# Altium PCB higgs.PcbDoc (part 24 of 25)
Units mm, origin at the board's own origin, x right, y up, seen from the top; angles counter-clockwise.
Board outline 160 x 160 mm, 15 copper layers (TOP, P1(GND), S1(V), P2(GND), S2(H), P3(GND), S3(V12/V2V5), S4(VDDR), P4(GND), S5(V), P5(GND), S6(H), P6(GND), P1(GND) (Plane1), BOT), stack 3.262 mm thick; 1283 components, 2419 nets, 11066 pads, 5487 vias.
Unrouted connection lines stored in the file: 239.
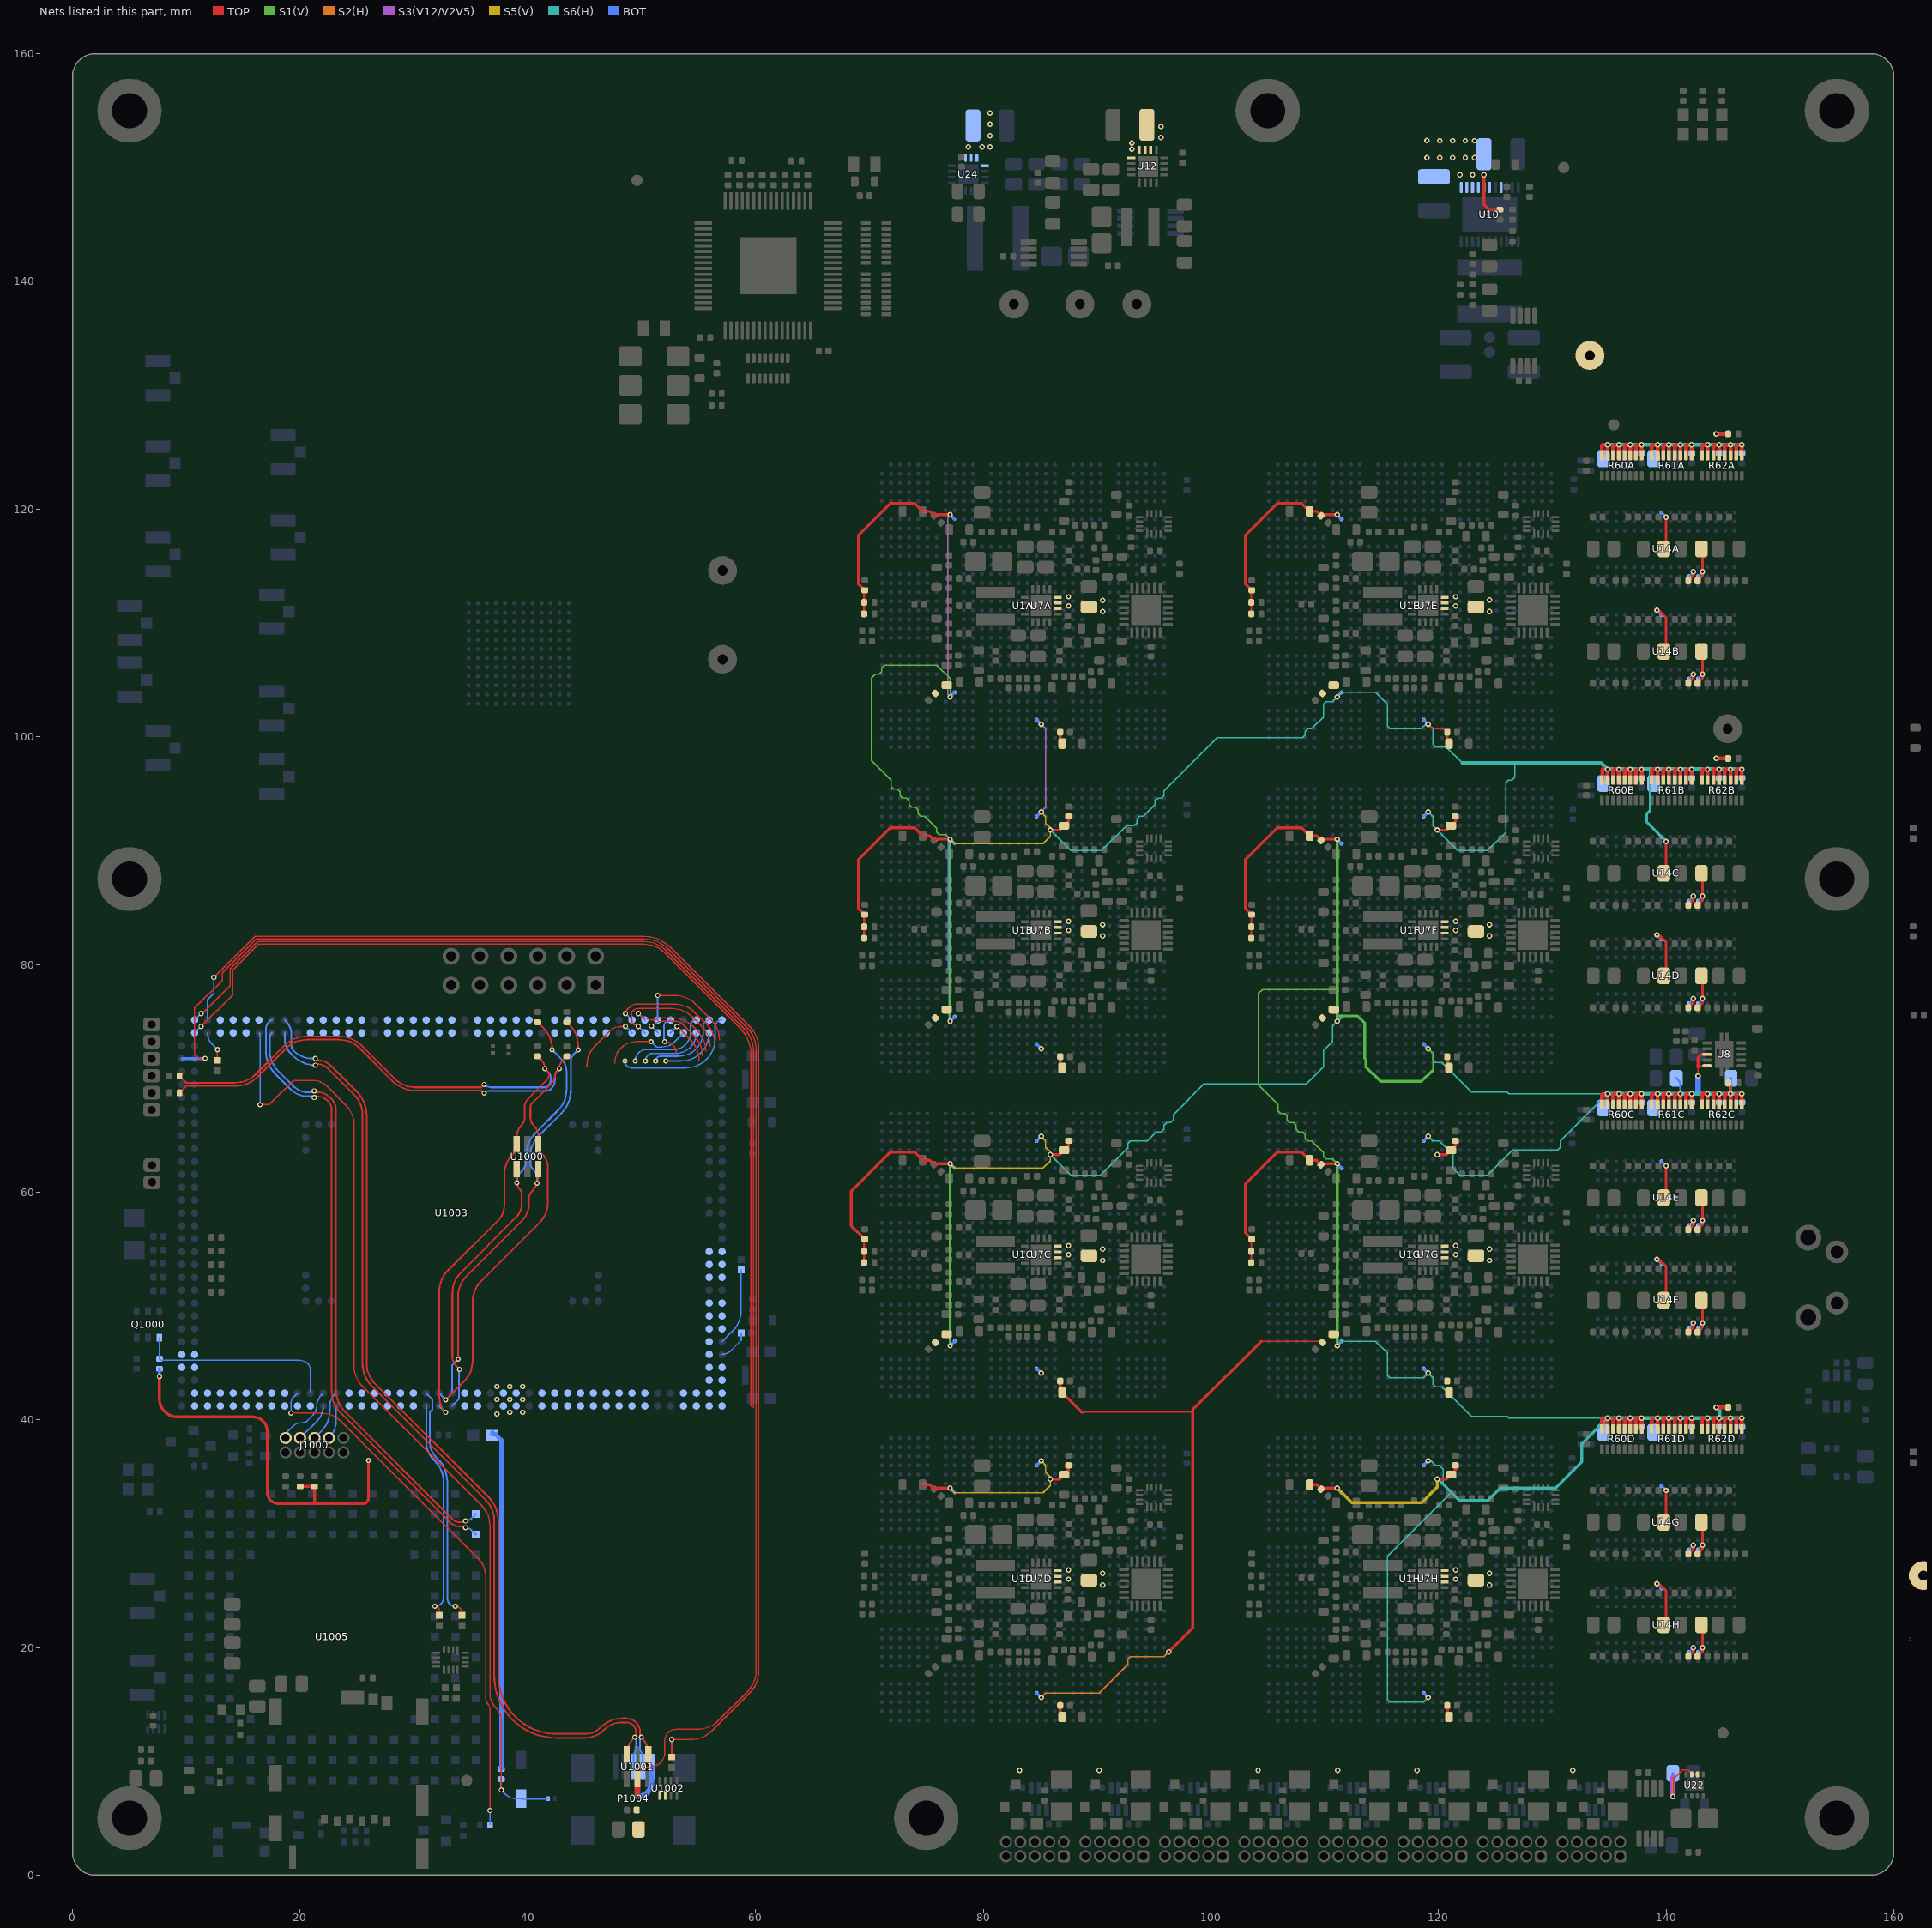
[diagram p37: the nets of this part, all layers, seen from the top]

## Via types
v1: diameter 0.483, hole 0.254, TOP to BOT, tented both sides, 5146 vias
v2: diameter 0.457, hole 0.254, TOP to BOT, tented both sides, 278 vias
v3: diameter 0.5, hole 0.25, TOP to BOT, 50 vias
v4: diameter 0.483/0/0/0/0.483/0/0/0.483 (per signal layer), hole 0.254, TOP to BOT, tented both sides, 7 vias
v5: diameter 0.483, hole 0.254, TOP to BOT, tented bottom, 5 vias
v6: diameter 0.483, hole 0.254, TOP to BOT, 1 vias

## Nets (pads, with @x,y where several pads share a name; then routed paths per layer and width w, separated by ;. In a path a pad name is that pad's centre, name@x,y a point inside that pad or via, vN(x,y) a via of type N, cw(c..) or ccw(c..) an arc to the next point about the centre after c; other vN are vias at no path point) (continued)
V12: C9A.2 C9B.2 C9C.2 C9D.2 C9E.2 C9F.2 C9G.2 C9H.2 C88.2 C89.2 C96.2 C160.2 C166.2 R35.1 TP12.1 U7A.10 U7A.11 U7A.12 U7B.10 U7B.11 U7B.12 U7C.10 U7C.11 U7C.12 U7D.10 U7D.11 U7D.12 U7E.10 U7E.11 U7E.12 U7F.10 U7F.11 U7F.12 U7G.10 U7G.11 U7G.12 U7H.10 U7H.11 U7H.12 U10.12 U10.13 U10.14 U10.15 U10.16 U10.17 U10.19 U12.10 U12.11 U12.12 U12.13 U22.2 U22.3 U24.10 U24.11 U24.12 U24.13 | length 12.2
  TOP w0.102: v1(140.6,6.9) 140.6,8.406 141.452,9.258 141.942,9.258 142.25,8.95 U22.3@142.25,8.85 U22.2@142.75,8.85 U22.2@142.8,8.8
  TOP w0.254: v1(124,149.365) 124,146.765 124.455,146.31 R35.1@125.4,146.31
  S3(V12/V2V5) w0.457: v1(140.6,6.9) 140.6,8.6
  BOT w0.2: v1(140.6,6.9) C160.2@140.6,8.95
  other v1: 90.185,9.195 83.205,9.2 104.16,9.2 111.145,9.2 118.13,9.2 131.8,9.2 90.5,25.5 124.5,25.5 87.5,26 121.5,26 90.5,26.5 124.5,26.5 87.5,26.8 121.5,26.8 90.5,54 124.5,54 87.5,54.5 121.5,54.5 90.5,55 124.5,55 87.5,55.3 121.5,55.3 90.5,82.5 124.5,82.5 87.5,83 121.5,83 90.5,83.5 124.5,83.5 87.5,83.8 121.5,83.8 90.5,111 124.5,111 87.5,111.5 121.5,111.5 90.506,111.98 124.5,112 87.5,112.3 121.5,112.3 121.883,149.357 123,149.365 119,150.865 120.108,150.857 121.233,150.857 122.358,150.857 123.158,150.857 93.073,151.626 78.7,151.8 79.9,151.8 80.6,151.8 93.073,152.134 119,152.365 120.108,152.357 121.233,152.357 122.358,152.357 123.158,152.357 95.625,152.65 80.6,152.8 95.625,153.6 80.6,153.8 80.6,154.8
V48: TP19.1
VCC3P3_SYS: D1001.1 R1003.2 R1006.2 R1014.2 R1017.2 U1003.PAK17 U1003.PAK18 U1003.PAL17 U1003.PAL18 | length 65.9
  TOP w0.254: v2(7.629,43.803) 7.629,41.853 ccw(c9.235,41.853) 9.235,40.247 15.839,40.247 cw(c15.839,38.977) 17.109,38.977 17.109,33.643 ccw(c18.125,33.643) 18.125,32.627 21.514,32.627 ; R1003.2@19.99,34.15 R1006.2@21.26,34.15 21.26,32.881 ; 21.006,32.627 ccw(c21.006,32.881) 21.26,32.881 ; v2(25.999,36.437) 25.999,33.135 cw(c25.491,33.135) 25.491,32.627 21.514,32.627 ; 21.26,32.881 ccw(c21.514,32.881) 21.514,32.627
  BOT w0.127: D1001.1@36.679,38.669 36.879,38.869 D1001.1@37.029,38.719
  BOT w0.254: v2(7.629,43.803) R1017.2@7.629,44.474
  BOT w0.381: D1001.1@36.879,38.719 D1001.1@36.879,38.869 ; D1001.1@37.029,38.719 37.179,38.719 37.667,38.231 R1014.2@37.667,9.323
  other v2: 37.284,40.501 38.414,40.654 39.544,40.654 37.284,41.784 38.414,41.784 39.544,41.784 37.284,42.914 38.414,42.914 39.544,42.914
VTTR: C8A.2 C8B.2 C8C.2 C8E.2 C8F.2 C8G.2 C19E.2 C19F.2 C19G.2 C19H.2 C20E.2 C20F.2 C20G.2 C20H.2 C26A.2 C26B.2 C26C.2 C26D.2 C26E.2 C26F.2 C26G.2 C26H.2 C27A.2 C27B.2 C27C.2 C27D.2 C27E.2 C27F.2 C27G.2 C27H.2 C37B.2 C37C.2 C37D.2 C37F.2 C37G.2 C37H.2 C38B.2 C38C.2 C38D.2 C38F.2 C38G.2 C38H.2 C58A.2 C58B.2 C58C.2 C58E.2 C58F.2 C58G.2 C59A.2 C59B.2 C59C.2 C59E.2 C59F.2 C59G.2 C81.2 C82.2 C115A.1 C115B.1 C115C.1 C115D.1 C115E.1 C115F.1 C115G.1 C115H.1 C116A.1 C116B.1 C116C.1 C116D.1 C116E.1 C116F.1 C116G.1 C116H.1 C117A.2 C117B.2 C117C.2 C117D.2 C117E.2 C117F.2 C117G.2 C117H.2 C136A.1 C136B.1 C136C.1 C136D.1 C137A.1 C137B.1 C137C.1 C137D.1 C138A.2 C138B.2 C138C.2 C138D.2 C139A.2 C139B.2 C139C.2 C139D.2 C140A.2 C140B.2 C140C.2 C140D.2 C141A.2 C141B.2 C141C.2 C141D.2 R8A.1 R8B.1 R8C.1 R8E.1 R8F.1 R8G.1 R9A.1 R9B.1 R9C.1 R9E.1 R9F.1 R9G.1 R60A.9 R60A.10 R60A.11 R60A.12 R60A.13 R60A.14 R60A.15 R60A.16 R60B.9 R60B.10 R60B.11 R60B.12 R60B.13 R60B.14 R60B.15 R60B.16 R60C.9 R60C.10 R60C.11 R60C.12 R60C.13 R60C.14 R60C.15 R60C.16 R60D.9 R60D.10 R60D.11 R60D.12 R60D.13 R60D.14 R60D.15 R60D.16 R61A.9 R61A.10 R61A.11 R61A.12 R61A.13 R61A.14 R61A.15 R61A.16 R61B.9 R61B.10 R61B.11 R61B.12 R61B.13 R61B.14 R61B.15 R61B.16 R61C.9 R61C.10 R61C.11 R61C.12 R61C.13 R61C.14 R61C.15 R61C.16 R61D.9 R61D.10 R61D.11 R61D.12 R61D.13 R61D.14 R61D.15 R61D.16 R62A.9 R62A.10 R62A.11 R62A.12 R62A.13 R62A.14 R62A.15 R62A.16 R62B.9 R62B.10 R62B.11 R62B.12 R62B.13 R62B.14 R62B.15 R62B.16 R62C.9 R62C.10 R62C.11 R62C.12 R62C.13 R62C.14 R62C.15 R62C.16 R62D.9 R62D.10 R62D.11 R62D.12 R62D.13 R62D.14 R62D.15 R62D.16 R65A.2 R65B.2 R65C.2 R65D.2 U1A.J26 U1A.V29 U1B.J26 U1B.V4 U1B.V29 U1C.J26 U1C.V4 U1C.V29 U1D.V4 U1D.V29 U1E.J7 U1E.J26 U1E.V29 U1F.J7 U1F.J26 U1F.V4 U1F.V29 U1G.J7 U1G.J26 U1G.V4 U1G.V29 U1H.J7 U1H.V4 U1H.V29 U8.3 U8.5 U14A.H1 U14A.M8 U14B.H1 U14B.M8 U14C.H1 U14C.M8 U14D.H1 U14D.M8 U14E.H1 U14E.M8 U14F.H1 U14F.M8 U14G.H1 U14G.M8 U14H.H1 U14H.M8 | length 897.5
  TOP w0.1: 88.835,40.685 98.399,40.685 98.414,40.7 ; 104.428,46.9 109.708,46.9 C59G.2@109.804,46.804 ; v1(119.1,101.1) 119.5,100.7 120.47,100.7 C27E.2@120.77,100.4 ; v1(142.8,70.2) 142.8,71 142.7,71.1 U8.5@143.6,71.1
  TOP w0.178: R8C.1@69.555,53.8 R9C.1@69.555,54.8 69.555,55.815 69.5,55.87 C8C.2@69.6,55.87 ; R8B.1@69.555,82.3 R9B.1@69.555,83.3 C8B.2@69.555,84.315 ; R8A.1@69.555,110.8 R9A.1@69.555,111.8 C8A.2@69.555,112.815 ; R8G.1@103.555,53.8 R9G.1@103.555,54.8 C8G.2@103.555,55.815 ; R8F.1@103.555,82.3 R9F.1@103.555,83.3 C8F.2@103.555,84.315 ; R8E.1@103.555,110.8 R9E.1@103.555,111.8 C8E.2@103.555,112.815
  TOP w0.203: R65C.2@145.454,69.6 145.65,69.404 v1(145.65,68.65)
  TOP w0.254: C8C.2@69.6,55.87 68.425,57.045 68.425,60.086 71.838,63.499 73.976,63.499 74.675,62.8 75.3,62.8 75.696,62.404 75.792,62.5 v1(77.1,62.5) ; C8B.2@69.6,84.37 69.05,84.92 69.05,89.211 71.838,91.999 73.976,91.999 74.675,91.3 75.3,91.3 75.696,90.904 75.792,91 v1(77.1,91) ; C8A.2@69.6,112.87 69.05,113.42 69.05,117.711 71.838,120.499 73.976,120.499 74.675,119.8 75.3,119.8 75.696,119.404 75.792,119.5 v1(77.1,119.5) ; 74.675,34.3 75.3,34.3 75.696,33.904 75.792,34 v1(77.1,34) ; v1(85.9,34.8) 86.725,34.8 87.5,35.575 C38D.2@87.5,36 ; v1(85.9,63.3) 86.725,63.3 87.5,64.075 C38C.2@87.5,64.5 ; v1(85.9,91.8) 86.725,91.8 87.5,92.575 C38B.2@87.5,93 ; C26C.2@86.925,42.4 88.64,40.685 88.835,40.685 ; v1(96.3,19.6) 98.414,21.714 98.414,40.7 98.414,40.886 104.428,46.9 ; C8G.2@103.6,55.87 103.05,56.42 103.05,60.711 105.838,63.499 107.976,63.499 C19G.2@108.675,62.8 109.3,62.8 C20G.2@109.696,62.404 109.792,62.5 v1(111.1,62.5) ; C8F.2@103.6,84.37 103.05,84.92 103.05,89.211 105.838,91.999 107.976,91.999 C19F.2@108.675,91.3 109.3,91.3 C20F.2@109.696,90.904 109.792,91 v1(111.1,91) ; C8E.2@103.6,112.87 103.05,113.42 103.05,117.711 105.838,120.499 107.976,120.499 C19E.2@108.675,119.8 109.3,119.8 C20E.2@109.696,119.404 109.792,119.5 v1(111.1,119.5) ; C19H.2@108.675,34.3 109.3,34.3 C20H.2@109.696,33.904 109.792,34 v1(111.1,34) ; v1(119.9,34.8) 120.725,34.8 121.5,35.575 C38H.2@121.5,36 ; v1(119.9,63.3) 120.725,63.3 121.5,64.075 C38G.2@121.5,64.5 ; v1(119.9,91.8) 120.725,91.8 C37F.2@121.1,92.175 121.5,92.575 C38F.2@121.5,93 ; C27E.2@120.77,100.4 120.77,99.555 C26E.2@120.925,99.4 ; v1(139.2,25.6) 139.348,25.6 140,24.949 140,22.2 C115H.1@139.8,22 ; v1(139.2,54.1) 139.348,54.1 140,53.449 140,50.7 C115F.1@139.8,50.5 ; v1(139.2,82.6) 139.348,82.6 140,81.949 140,79.2 C115D.1@139.8,79 ; v1(139.2,111.1) 139.348,111.1 140,110.449 140,107.7 C115B.1@139.8,107.5 ; C115G.1@139.8,31 140,31.2 v1(140,33.8) ; C115E.1@139.8,59.5 140,59.7 v1(140,62.3) ; C115C.1@139.8,88 140,88.2 v1(140,90.8) ; C115A.1@139.8,116.5 140,116.7 v1(140,119.3) ; C117H.2@142.77,19.2 142.77,19.25 143.2,19.68 v1(143.2,20) 143.2,21.9 C116H.1@143.1,22 ; C117G.2@142.77,28.2 142.77,28.25 143.2,28.68 v1(143.2,29) 143.2,30.9 C116G.1@143.1,31 ; C117F.2@142.77,47.7 142.77,47.75 143.2,48.18 v1(143.2,48.5) 143.2,50.4 C116F.1@143.1,50.5 ; C117E.2@142.77,56.7 142.77,56.75 143.2,57.18 v1(143.2,57.5) 143.2,59.4 C116E.1@143.1,59.5 ; C117D.2@142.77,76.2 142.77,76.25 143.2,76.68 v1(143.2,77) 143.2,78.9 C116D.1@143.1,79 ; C117C.2@142.77,85.2 142.77,85.25 143.2,85.68 v1(143.2,86) 143.2,87.9 C116C.1@143.1,88 ; C117B.2@142.77,104.7 142.77,104.75 143.2,105.18 v1(143.2,105.5) 143.2,107.4 C116B.1@143.1,107.5 ; C117A.2@142.77,113.7 142.77,113.75 143.2,114.18 v1(143.2,114.5) 143.2,116.4 C116A.1@143.1,116.5
  TOP w0.28: C27D.2@86.77,14.9 86.77,14.055 C26D.2@86.925,13.9 ; C27C.2@86.77,43.4 86.77,42.555 C26C.2@86.925,42.4 ; C27B.2@86.77,71.9 86.77,71.055 C26B.2@86.925,70.9 ; C27A.2@86.77,100.4 86.77,99.555 C26A.2@86.925,99.4 ; C27H.2@120.77,14.9 120.77,14.055 C26H.2@120.925,13.9 ; C27F.2@120.77,71.9 120.77,71.055 C26F.2@120.925,70.9 ; 142.8,71 142.8,71.8 143.1,72.1 U8.3@143.6,72.1
  TOP w0.34: R60D.16@134.35,39.195 134.35,40.05 134.45,40.15 v1(134.85,40.15) R60D.15@134.85,39.195 ; R60C.16@134.35,67.695 134.35,68.55 134.45,68.65 v1(134.85,68.65) R60C.15@134.85,67.695 ; R60B.16@134.35,96.195 134.388,96.233 134.388,97.088 134.45,97.15 v1(134.85,97.15) R60B.15@134.85,96.195 ; R60A.16@134.35,124.695 134.35,125.55 134.45,125.65 v1(134.85,125.65) R60A.15@134.85,124.695 ; R60D.14@135.35,39.195 135.35,40.05 135.45,40.15 v1(135.85,40.15) R60D.13@135.85,39.195 ; R60C.14@135.35,67.695 135.35,68.55 135.45,68.65 v1(135.85,68.65) R60C.13@135.85,67.695 ; R60B.14@135.35,96.195 135.35,97.05 135.45,97.15 v1(135.85,97.15) R60B.13@135.85,96.195 ; R60A.14@135.35,124.695 135.35,125.55 135.45,125.65 v1(135.85,125.65) R60A.13@135.85,124.695 ; R60D.12@136.35,39.195 136.35,40.05 136.45,40.15 v1(136.85,40.15) R60D.11@136.85,39.195 ; R60C.12@136.35,67.695 136.35,68.55 136.45,68.65 v1(136.85,68.65) R60C.11@136.85,67.695 ; R60B.12@136.35,96.195 136.35,97.05 136.45,97.15 v1(136.85,97.15) R60B.11@136.85,96.195 ; R60A.12@136.35,124.695 136.35,125.55 136.45,125.65 v1(136.85,125.65) R60A.11@136.85,124.695 ; R60D.10@137.35,39.195 137.35,40.05 137.45,40.15 v1(137.85,40.15) R60D.9@137.85,39.195 ; R60C.10@137.35,67.695 137.35,68.55 137.45,68.65 v1(137.85,68.65) R60C.9@137.85,67.695 ; R60B.10@137.35,96.195 137.35,97.05 137.45,97.15 v1(137.85,97.15) R60B.9@137.85,96.195 ; R60A.10@137.35,124.695 137.35,125.55 137.45,125.65 v1(137.85,125.65) R60A.9@137.85,124.695 ; R61D.16@138.75,39.195 138.75,40.05 138.85,40.15 v1(139.25,40.15) R61D.15@139.25,39.195 ; R61C.16@138.75,67.695 138.75,68.55 138.85,68.65 v1(139.25,68.65) R61C.15@139.25,67.695 ; R61B.16@138.75,96.195 138.75,97.05 138.85,97.15 v1(139.25,97.15) R61B.15@139.25,96.195 ; R61A.16@138.75,124.695 138.75,125.55 138.85,125.65 v1(139.25,125.65) R61A.15@139.25,124.695 ; R61D.14@139.75,39.195 139.75,40.05 139.85,40.15 v1(140.25,40.15) R61D.13@140.25,39.195 ; R61C.14@139.75,67.695 139.75,68.55 139.85,68.65 v1(140.25,68.65) R61C.13@140.25,67.695 ; R61B.14@139.75,96.195 139.75,97.05 139.85,97.15 v1(140.25,97.15) R61B.13@140.25,96.195 ; R61A.14@139.75,124.695 139.75,125.55 139.85,125.65 v1(140.25,125.65) R61A.13@140.25,124.695 ; R61D.12@140.75,39.195 140.75,40.05 140.85,40.15 v1(141.25,40.15) R61D.11@141.25,39.195 ; R61C.12@140.75,67.695 140.75,68.55 140.85,68.65 v1(141.25,68.65) R61C.11@141.25,67.695 ; R61B.12@140.75,96.195 140.75,97.05 140.85,97.15 v1(141.25,97.15) R61B.11@141.25,96.195 ; R61A.12@140.75,124.695 140.75,125.55 140.85,125.65 v1(141.25,125.65) R61A.11@141.25,124.695 ; R61D.10@141.75,39.195 141.75,40.05 141.85,40.15 v1(142.25,40.15) R61D.9@142.25,39.195 ; R61C.10@141.75,67.695 141.75,68.55 141.85,68.65 v1(142.25,68.65) R61C.9@142.25,67.695 ; R61B.10@141.75,96.195 141.75,97.05 141.85,97.15 v1(142.25,97.15) R61B.9@142.25,96.195 ; R61A.10@141.75,124.695 141.75,125.55 141.85,125.65 v1(142.25,125.65) R61A.9@142.25,124.695 ; R62D.16@143.15,39.195 143.15,40.05 143.25,40.15 v1(143.65,40.15) R62D.15@143.65,39.195 ; R62C.16@143.15,67.695 143.15,68.55 143.25,68.65 v1(143.65,68.65) R62C.15@143.65,67.695 ; R62B.16@143.15,96.195 143.15,97.05 143.25,97.15 v1(143.65,97.15) R62B.15@143.65,96.195 ; R62A.16@143.15,124.695 143.15,125.55 143.25,125.65 v1(143.65,125.65) R62A.15@143.65,124.695 ; R62D.14@144.15,39.195 144.15,40.05 144.25,40.15 v1(144.65,40.15) R62D.13@144.65,39.195 ; R62C.14@144.15,67.695 144.15,68.55 144.25,68.65 v1(144.65,68.65) R62C.13@144.65,67.695 ; R62B.14@144.15,96.195 144.15,97.05 144.25,97.15 v1(144.65,97.15) R62B.13@144.65,96.195 ; R62A.14@144.15,124.695 144.15,125.55 144.25,125.65 v1(144.65,125.65) R62A.13@144.65,124.695 ; v1(144.4,41.1) R65D.2@145.455,41.1 ; v1(144.4,98.1) R65B.2@145.455,98.1 ; v1(144.4,126.6) R65A.2@145.455,126.6 ; R62D.12@145.15,39.195 145.15,40.05 145.25,40.15 v1(145.65,40.15) R62D.11@145.65,39.195 ; R62C.12@145.15,67.695 145.15,68.55 145.25,68.65 v1(145.65,68.65) R62C.11@145.65,67.695 ; R62B.12@145.15,96.195 145.15,97.05 145.25,97.15 v1(145.65,97.15) R62B.11@145.65,96.195 ; R62A.12@145.15,124.695 145.15,125.55 145.25,125.65 v1(145.65,125.65) R62A.11@145.65,124.695 ; R62D.10@146.15,39.195 146.15,40.05 146.25,40.15 v1(146.65,40.15) R62D.9@146.65,39.195 ; R62C.10@146.15,67.695 146.15,68.55 146.25,68.65 v1(146.65,68.65) R62C.9@146.65,67.695 ; R62B.10@146.15,96.195 146.15,97.05 146.25,97.15 v1(146.65,97.15) R62B.9@146.65,96.195 ; R62A.10@146.15,124.695 146.15,125.55 146.25,125.65 v1(146.65,125.65) R62A.9@146.65,124.695
  S3(V12/V2V5) w0.1: v1(77.1,103.5) 76.889,103.711 76.889,119.289 v1(77.1,119.5) ; v1(85.1,93.4) 85.498,93.798 85.498,100.702 v1(85.1,101.1)
  S1(V) w0.1: v1(77.1,91) 76.698,91.402 76.135,91.402 75.902,91.635 75.902,91.962 74.862,93.002 74.535,93.002 74.302,93.235 74.302,93.562 74.062,93.802 73.735,93.802 73.502,94.035 73.502,94.362 73.262,94.602 72.935,94.602 72.702,94.835 72.702,95.162 72.462,95.402 72.135,95.402 71.902,95.635 71.902,96.198 70.187,97.913 70.187,105.151 70.538,105.502 70.865,105.502 71.098,105.735 71.098,106.062 71.335,106.298 75.902,106.298 77.1,105.1 v1(77.1,103.5) ; v1(111.1,62.5) 110.698,62.902 110.135,62.902 109.902,63.135 109.902,63.462 108.862,64.502 108.535,64.502 108.302,64.735 108.302,65.062 108.062,65.302 107.735,65.302 107.502,65.535 107.502,65.862 107.262,66.102 106.935,66.102 106.702,66.335 106.702,66.662 106.462,66.902 106.135,66.902 105.902,67.135 105.902,67.698 104.187,69.413 104.187,77.451 104.535,77.798 111.098,77.798 111.1,77.8 ; v1(119.1,72.6) 119.5,72.2 119.5,70.728
  S1(V) w0.254: v1(77.1,46.5) v1(77.1,62.5) ; v1(77.1,75) v1(77.1,91) ; v1(111.1,46.5) v1(111.1,62.5) ; v1(111.1,75) 111.1,77.8 v1(111.1,91) ; 111.1,75.475 112.897,75.475 113.519,74.853 113.519,71.755 113.645,71.629 113.645,70.982 114.903,69.725 118.497,69.725 119.5,70.728
  S2(H) w0.1: v1(85.1,15.6) 85.498,15.998 90.198,15.998 92.702,18.502 92.702,18.965 92.935,19.198 95.898,19.198 v1(96.3,19.6)
  S5(V) w0.1: v1(77.1,34) 77.498,33.602 85.265,33.602 85.9,34.237 v1(85.9,34.8) 85.9,34.994 85.5,35.394 85.5,36 v1(85.1,36.4) ; v1(77.1,62.5) 77.498,62.102 85.265,62.102 85.9,62.737 v1(85.9,63.3) 85.9,63.537 85.502,63.935 85.502,64.498 v1(85.1,64.9) ; v1(77.1,91) 77.498,90.602 85.265,90.602 85.9,91.237 v1(85.9,91.8) 85.9,91.994 85.5,92.394 85.5,93 v1(85.1,93.4)
  S5(V) w0.254: v1(111.1,34) 112.375,32.725 118.525,32.725 119.9,34.1 v1(119.9,34.8)
  S6(H) w0.1: v1(85.9,63.3) 87.709,61.491 90.317,61.491 92.702,63.876 92.702,64.265 92.938,64.502 94.402,64.502 95.202,65.302 95.665,65.302 95.898,65.535 95.898,65.862 96.138,66.102 96.465,66.102 96.698,66.335 96.698,66.798 99.398,69.498 108.398,69.498 109.902,71.002 109.902,72.438 110.698,73.235 110.698,74.598 v1(111.1,75) ; v1(85.9,91.8) 87.709,89.991 90.395,89.991 92.605,92.202 93.265,92.202 93.498,92.435 93.498,92.762 93.738,93.002 94.065,93.002 95.098,94.035 95.098,94.362 95.338,94.602 95.665,94.602 95.898,94.835 95.898,95.244 100.556,99.902 108.065,99.902 108.298,100.135 108.298,100.462 108.538,100.702 108.865,100.702 109.902,101.738 109.902,102.865 110.135,103.098 110.698,103.098 v1(111.1,103.5) 111.498,103.898 114.465,103.898 115.502,102.862 115.502,100.935 115.702,100.735 115.702,100.702 118.465,100.702 118.863,101.1 v1(119.1,101.1) 119.502,100.698 119.502,99.335 119.735,99.102 120.698,99.102 122.1,97.7 ; v1(119.1,15.6) 118.7,15.2 116.5,15.2 116.498,15.202 115.743,15.202 115.509,15.436 115.509,17.027 115.502,17.035 115.502,28.002 121.1,33.6 121.1,33.666 ; v1(119.1,93.4) 119.502,92.998 119.502,92.198 v1(119.9,91.8) 121.709,89.991 124.317,89.991 125.902,91.576 125.902,95.965 126.135,96.198 126.462,96.198 126.698,96.435 126.698,97.7
  S6(H) w0.102: v1(111.1,46.5) 111.499,46.899 114.465,46.899 115.501,45.864 115.501,44.735 115.501,43.935 115.736,43.7 118.7,43.7 v1(119.1,44.1) 119.501,43.699 119.501,43.135 119.735,42.901 120.299,42.901 122.896,40.304 126.027,40.304 126.181,40.15 v1@134.9,40.15 ; v1(119.1,36.4) 119.336,36.4 119.735,36.001 120.064,36.001 120.4,35.664 120.4,34.473 ; v1(119.1,64.9) 119.501,64.499 120.065,64.499 121.291,63.273 121.291,62.082 121.883,61.49 124.317,61.49 126.526,63.699 130.464,63.699 130.699,63.935 130.699,64.474 v1@134.85,68.625 ; v1(119.1,72.6) 119.501,72.199 119.501,71.635 119.735,71.401 120.299,71.401 122.896,68.804 126.027,68.804 126.181,68.65 v1@134.875,68.65 ; 132.6,37.85 v1@134.85,40.1
  S6(H) w0.254: v1(119.9,34.8) 119.966,34.8 121.1,33.666 121.852,32.914 124.348,32.914 125.434,34 130.3,34 132.6,36.3 132.6,37.85 132.6,37.9 v1(134.85,40.15) ; 138.6,97.15 138.6,93.522 138.275,93.197 138.275,92.526 v1(140,90.8)
  S6(H) w0.34: 122.1,97.7 126.698,97.7 134.3,97.7 v1(134.85,97.15) ; v1@134.825,97.175 v1(134.85,97.15) ; v1(134.85,40.15) v1(135.85,40.15) v1(136.85,40.15) v1(137.85,40.15) 146.6,40.15 v1@146.625,40.125 ; v1(134.85,68.65) v1(135.85,68.65) v1(136.85,68.65) v1(137.85,68.65) v1(146.65,68.65) ; v1(134.85,125.65) v1(135.85,125.65) v1(136.85,125.65) v1(137.85,125.65) v1@146.675,125.65 ; v1(144.4,41.1) 144.675,40.825 v1@144.675,40.2 ; v1(146.65,97.15) v1(145.65,97.15) v1(144.65,97.15) v1(143.65,97.15) 138.6,97.15 v1(134.85,97.15)
  BOT w0.1: U14H.M8@142.8,19.6 v1(143.2,20) ; U14G.M8@142.8,28.6 v1(143.2,29) ; U14F.M8@142.8,48.1 v1(143.2,48.5) ; U14E.M8@142.8,57.1 v1(143.2,57.5) ; U14D.M8@142.8,76.6 v1(143.2,77) ; U14C.M8@142.8,85.6 v1(143.2,86) ; U14B.M8@142.8,105.1 v1(143.2,105.5) ; U14A.M8@142.8,114.1 v1(143.2,114.5)
  BOT w0.203: v1@77.05,75 77.05,79.547 76.957,79.64 76.957,90.857 v1(77.1,91) ; C82.2@140.9,70 141.25,69.65 v1(141.25,68.65) ; v1(145.65,68.65) 145.65,69.95 C81.2@145.7,70
  BOT w0.254: v1(77.1,34) 77.5,33.6 ; v1(77.1,46.5) U1C.J26@77.5,46.9 ; v1(77.1,62.5) 77.5,62.1 ; v1(77.1,75) U1B.J26@77.5,75.4 ; v1(77.1,91) 77.5,90.6 ; v1(77.1,103.5) U1A.J26@77.5,103.9 ; v1(77.1,119.5) 77.5,119.1 ; U1D.V29@84.7,16 v1(85.1,15.6) ; U1D.V4@84.7,36 v1(85.1,36.4) ; U1C.V29@84.7,44.5 v1(85.1,44.1) ; U1C.V4@84.7,64.5 v1(85.1,64.9) ; U1B.V29@84.7,73 v1(85.1,72.6) ; U1B.V4@84.7,93 v1(85.1,93.4) ; U1A.V29@84.7,101.5 v1(85.1,101.1) ; v1(111.1,34) U1H.J7@111.5,33.6 ; v1(111.1,46.5) U1G.J26@111.5,46.9 ; v1(111.1,62.5) U1G.J7@111.5,62.1 ; v1(111.1,75) U1F.J26@111.5,75.4 ; v1(111.1,91) U1F.J7@111.5,90.6 ; v1(111.1,103.5) U1E.J26@111.5,103.9 ; v1(111.1,119.5) U1E.J7@111.5,119.1 ; U1H.V29@118.7,16 v1(119.1,15.6) ; U1H.V4@118.7,36 v1(119.1,36.4) ; U1G.V29@118.7,44.5 v1(119.1,44.1) ; U1G.V4@118.7,64.5 v1(119.1,64.9) ; U1F.V29@118.7,73 v1(119.1,72.6) ; U1F.V4@118.7,93 v1(119.1,93.4) ; U1E.V29@118.7,101.5 v1(119.1,101.1) ; v1(139.2,25.6) U14H.H1@139.6,25.2 ; v1(139.2,54.1) U14F.H1@139.6,53.7 ; v1(139.2,82.6) U14D.H1@139.6,82.2 ; v1(139.2,111.1) U14B.H1@139.6,110.7 ; U14G.H1@139.6,34.2 v1(140,33.8) ; U14E.H1@139.6,62.7 v1(140,62.3) ; U14C.H1@139.6,91.2 v1(140,90.8) ; U14A.H1@139.6,119.7 v1(140,119.3)
  BOT w0.483: 142.8,68.8 v1(142.8,70.2)
XADC0: U1003.PY1
XADC1: U1003.PY2
XADC2: U1003.PAA1
XADC3: U1003.PAA2
XADC4: U1003.PW1
XADC5: U1003.PW2
XAGPIO0: U1003.PAF2
XAUDIO_I2S0_CDCLK: U1003.PAL2
XAUDIO_I2S0_DIN: U1003.PAL1
XAUDIO_I2S0_DOUT: U1003.PAK1
XAUDIO_I2S0_LRCLK: U1003.PAJ1
XAUDIO_I2S0_SCLK: U1003.PAK2
XAUDIO_IRQ: U1003.PAL33
XAUDIO_SCL: U1003.PB39
XAUDIO_SDA: U1003.PB40
XBOOT_CONFIG0: J1000.10 | length 5.6
  BOT w0.127: J1000.10@18.72,38.405 cw(c19.697,38.405) 19.006,39.096 19.283,39.373 cw(c20.179,38.477) 20.179,39.744 ccw(c20.179,40.408) 20.648,39.938 21.136,40.426 ccw(c20.368,41.194) 21.454,41.194 cw(c22.854,41.194) 21.864,42.184 22.029,42.349
XBOOT_CONFIG1: J1000.8 | length 3.6
  BOT w0.127: J1000.8@19.99,38.405 21.481,39.896 ccw(c20.158,41.219) 22.029,41.219
XBOOT_CONFIG2: J1000.6 | length 4.6
  BOT w0.127: J1000.6@21.26,38.405 21.86,39.005 ccw(c20.064,40.801) 22.604,40.801 22.604,41.269 cw(c23.871,41.269) 22.975,42.165 23.159,42.349
XBOOT_CONFIG3: J1000.4 | length 3
  BOT w0.127: J1000.4@22.53,38.405 ccw(c21.01,39.924) 23.159,39.924 23.159,41.219
XCAM_LDO_EN: U1003.PAK42
XCAM_RESET: U1003.PAL41
XCAM_SCL: U1003.PAK10
XCAM_SDA: U1003.PAL10
XCAM_STBY: U1003.PAL42